# Altium PCB MyNixie.PcbDoc (part 2 of 2)
Units mil, origin at the board's own origin, x right, y up, seen from the top; angles counter-clockwise.
Board outline 7490.35 x 3159.64 mil, 2 copper layers (Top Layer, Bottom Layer); 206 components, 192 nets, 688 pads, 274 vias.
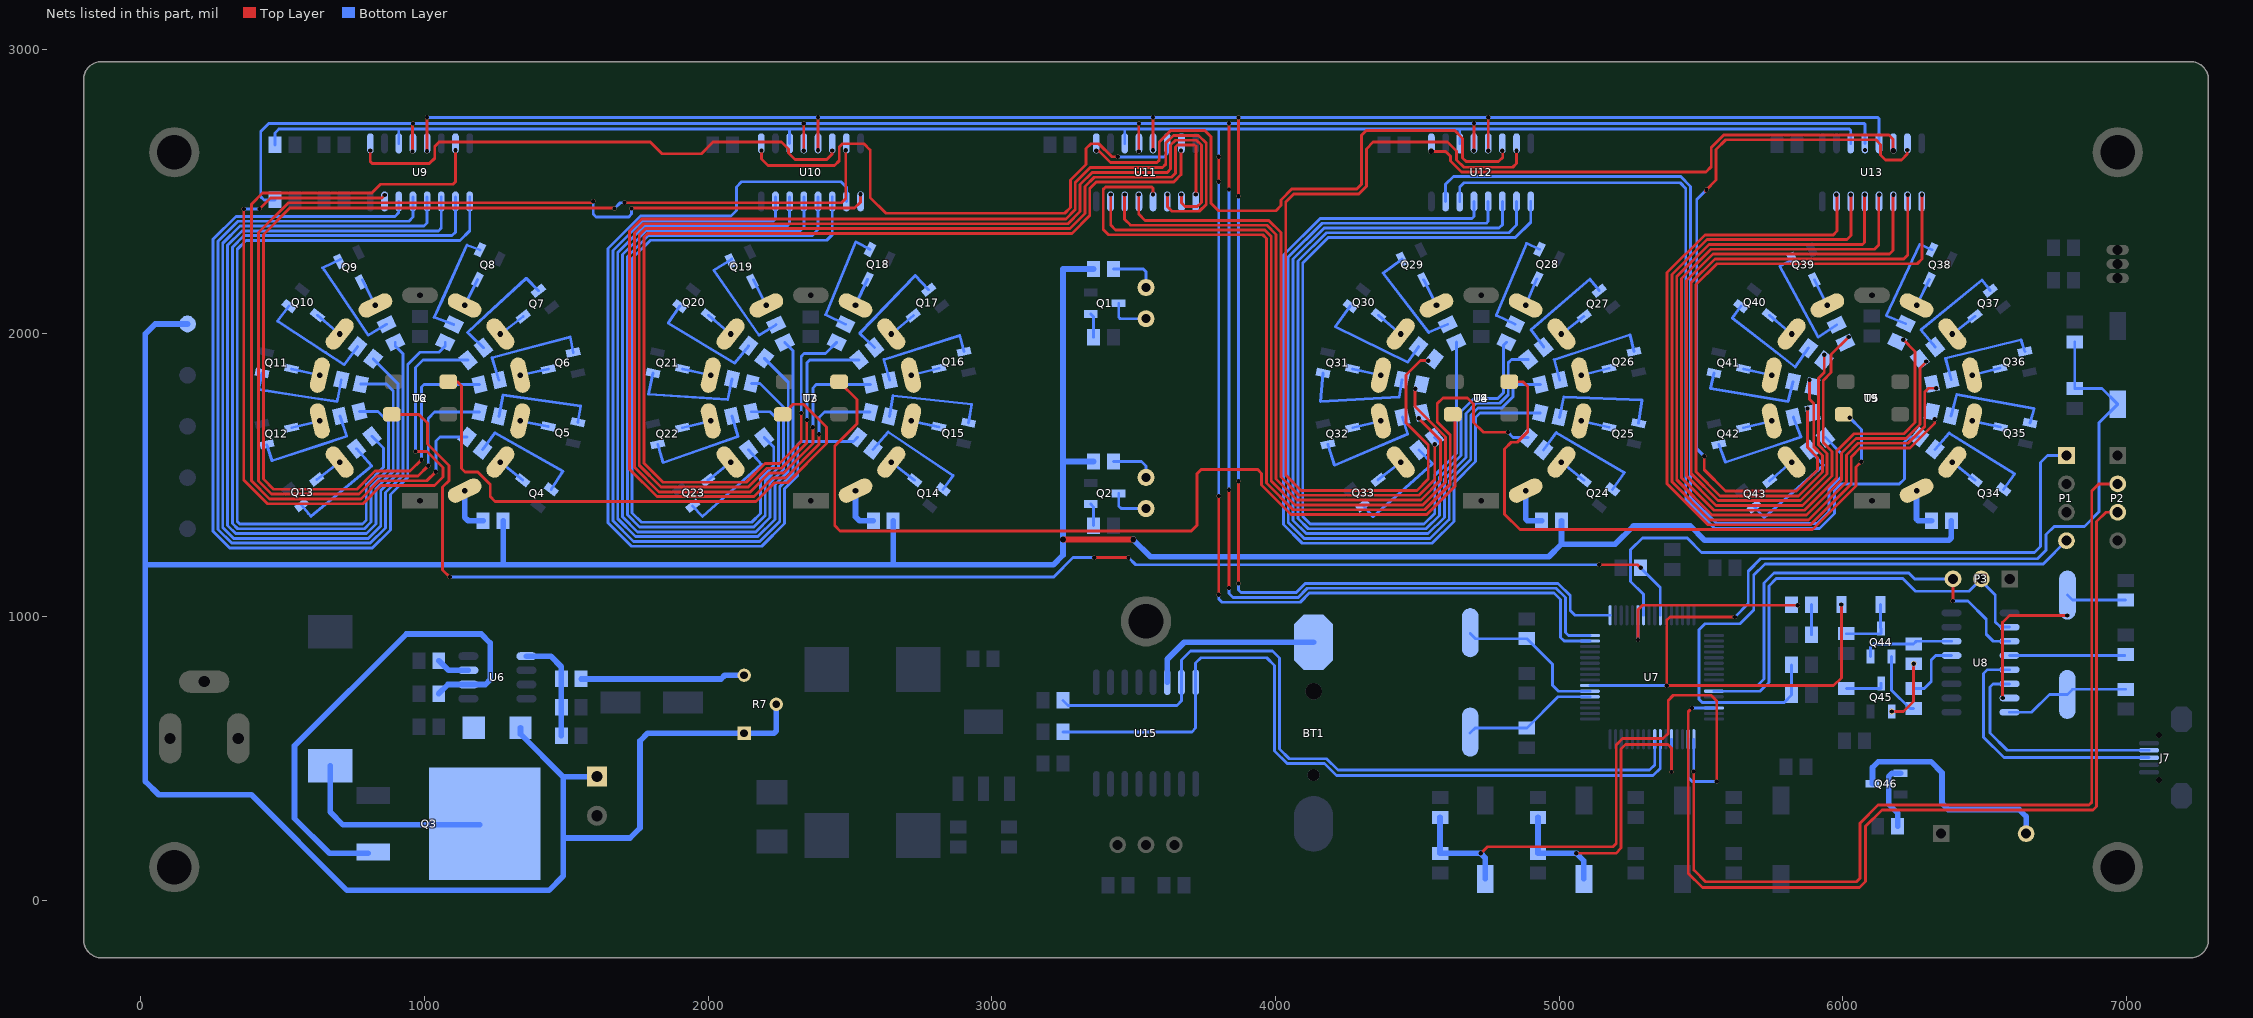
[diagram p2: the nets of this part, all layers, seen from the top]

## Via types
v1: diameter 15, hole 15, Top Layer to Bottom Layer, 190 vias
v2: diameter 20, hole 20, Top Layer to Bottom Layer, 63 vias
v3: diameter 20, hole 15, Top Layer to Bottom Layer, 19 vias
v4: diameter 25, hole 25, Top Layer to Bottom Layer, 2 vias

## Nets (pads, with @x,y where several pads share a name; then routed paths per layer and width w, separated by ;. In a path a pad name is that pad's centre, name@x,y a point inside that pad or via, vN(x,y) a via of type N, cw(c..) or ccw(c..) an arc to the next point about the centre after c; other vN are vias at no path point) (continued)
KEY3: C30.2 R71.2 S4.2 U7.53 | length 1266.5
  Top Layer w10: v1(5060.28,166.72) 5199.72,166.72 5218,185 5218,534 5234,550 5383,550 5395.67,537.33 v1(5395.67,453.33)
  Bottom Layer w10: v1(5395.67,453.33) U7.53@5395.67,568.9
  Bottom Layer w20: C30.2@4925.07,293.5 R71.2@4925.07,166.72 v1(5060.28,166.72) 5086.85,140.15 S4.2@5086.85,76.65
KEY4: C31.2 R72.2 S5.2 U7.50 | length 2234.9
  Top Layer w10: v1(4723.28,166.72) 4746.55,190 5190,190 5201,201 5201,549 5223,571 5366,571 5384,589 5384,706 5402,724 5535,724 5555,704 v1(5555,420)
  Bottom Layer w10: U7.50@5454.72,568.9 5454.73,434.27 5469,420 v1(5555,420)
  Bottom Layer w20: C31.2@4579.92,293.5 R72.2@4579.92,166.72 v1(4723.28,166.72) 4739.3,150.7 S5.2@4739.3,76.65
LAMP: P1.1 U7.23 | length 2139.2
  Bottom Layer w10: U7.23@5297.24,1005.91 5297.24,1079.76 5251.76,1125.24 5251.76,1236.76 5293,1278 5451,1278 5502,1227 6675,1227 6696,1248 6696,1544 6721,1569 P1.1@6788,1569
LATCHCLK: R21.2 U7.16 U9.12 U10.12 U11.12 U12.12 U13.12 | length 9487.4
  Top Layer w10: v1(958,2641) 958,2737.75 v1(959.25,2739) ; v1(2337,2643) v1@2337,2738 ; v1@3518,2640 v1@3518,2735.39 ; v1(3836,1102) v1(3836,1448) ; v1(3836,2507) v1(3836,2740) ; v1@4699.41,2646 v1@4699.41,2736.59
  Bottom Layer w10: R21.2@472.84,2469.94 434.06,2469.94 423,2481 423,2711 451,2739 v1(959.25,2739) v1(2337,2739) 6076,2739 6077.36,2737.64 U13.12@6077.36,2669.42 ; v1(3836,1102) 3836,1083 3850,1069 4079.92,1069 4111.92,1101 4989.08,1101 5022,1068.08 5022,945.73 5032.69,935.04 U7.16@5108.27,935.04 ; v1(3836,1448) v1(3836,2507)
  other v1: 3518,2641 4699,2643 6078,2645.7 3518.31,2739.69 4699.41,2740.59
LED_DEBUG: R13.2 U7.22 | length 761.3
  Top Layer w10: v1(5277.56,920) 5277.56,1025.56 5293,1041 v1(5841,1041)
  Bottom Layer w10: v1(5277.56,920) U7.22@5277.56,1005.91
METALKEY: C3.2 P1.4 R1.2 U7.45 | length 2190
  Bottom Layer w10: R1.2@5819.29,830.97 C3.2@5819.29,724.8 5793.31,698.82 U7.45@5545.28,698.82 5504.18,698.82 5493,710 5493,955 5514,976 5637,976 5685.5,1024.5 5685.5,1147.5 5725,1187 6706,1187 P1.4@6788,1269
NetBT1_1: BT1.1 U15.14 | length 621.3
  Bottom Layer w20: U15.14@3618.31,769.68 3618.31,850.59 3678.27,910.55 BT1.1@4133.86,910.55
NetC8_2: C8.2 R3.2 R4.1 U6.5 | length 382
  Bottom Layer w20: U6.5@1359.3,861.8 1445,861.8 1482.28,824.52 R4.1@1482.28,781.49 R3.2@1482.28,580.91
NetC9_1: C9.1 U6.3 | length 118.4
  Bottom Layer w20: C9.1@1050.24,845.86 1084.3,811.8 U6.3@1154.57,811.8
NetC13_2: C13.2 U7.5 Y1.1 | length 475.2
  Bottom Layer w10: Y1.1@4685.91,590.96 4703.95,609.01 C13.2@4885.83,609.01 4995.32,718.5 U7.5@5108.27,718.5
NetC14_2: C14.2 U7.6 Y1.2 | length 549.6
  Bottom Layer w10: Y1.2@4686.25,941.36 4704.3,923.31 C14.2@4885.83,923.31 4976,833.14 4976,759 4996.81,738.19 U7.6@5108.27,738.19
NetC24_1: C24.1 U8.4 | length 406.2
  Bottom Layer w10: U8.4@6587.4,864.11 C24.1@6993.64,864.11
NetC25_1: C25.1 U8.7 Y2.1 | length 717.4
  Top Layer w10: v1(6563,714) 6563,981 6587,1005 v1(6791,1005)
  Bottom Layer w10: Y2.1@6791.51,1077.17 6809.56,1059.12 C25.1@6996.46,1059.12
NetC26_1: C26.1 U8.8 Y2.2 | length 442.5
  Bottom Layer w10: U8.8@6587.4,664.11 6665.11,664.11 6727.77,726.77 Y2.2@6791.17,726.77 6809.21,744.82 C26.1@6996.46,744.82
NetD2_1: D2.1 L1.2 Q3.2 | length 709.2
  Bottom Layer w20: L1.2@667.72,475.78 667.72,312.28 713,267 Q3.2@1194.7,267
NetD3_K: D3.K R13.1 | length 106.2
  Bottom Layer w10: D3.K@5889.37,937.14 R13.1@5889.37,1043.31
NetD4_2: D4.2 Q44.3 R19.1 | length 224.9
  Bottom Layer w10: R19.1@6012.2,940.94 6132.94,940.94 6134.25,942.25 Q44.3@6134.25,959.32 6132.28,961.28 D4.2@6132.28,1043.7
NetJ8_2: J8.2 Q46.3 | length 811
  Bottom Layer w20: Q46.3@6104.33,411.81 6104.33,469.33 6125,490 6310,490 6349,451 6349,343 6371,321 6621,321 6645.67,296.33 J8.2@6645.67,236.22
NetQ1_1: Q1.1 R2.1 | length 86.7
  Bottom Layer w10: Q1.1@3348.55,2068.36 3358.52,2058.38 R2.1@3358.52,1985.75
NetQ1_3: Q1.3 UP1.2 | length 147.4
  Bottom Layer w10: Q1.3@3446.97,2105.76 3446.97,2057.03 3452.7,2051.3 UP1.2@3543.31,2051.3
NetQ2_1: Q2.1 R9.1 | length 80
  Bottom Layer w10: Q2.1@3348.55,1397.77 3358.52,1387.8 R9.1@3358.52,1321.9
NetQ2_3: Q2.3 UP2.2 | length 144.2
  Bottom Layer w10: Q2.3@3446.97,1435.17 3446.97,1391.03 3455.99,1382.01 UP2.2@3543.31,1382.01
NetQ3_1: Q3.1 R10.2 U6.2 | length 1762.8
  Bottom Layer w20: Q3.1@801,167 665,167 542,290 542,545.88 936.07,939.95 1199.85,939.95 1231.35,908.46 1231.35,778.54 1214.62,761.8 1082.53,761.8 R10.2@1050.24,729.52
NetQ4_3: Q4.3 T6.3 | length 101.7
  Bottom Layer w10: T6.3@1267.44,1545.82 Q4.3@1346.56,1481.86
NetQ5_3: Q5.3 T6.4 | length 100.9
  Bottom Layer w10: T6.4@1337.38,1691.06 Q5.3@1436.27,1671.19
NetQ6_3: Q6.3 T6.5 | length 101.6
  Bottom Layer w10: T6.5@1337.38,1852.25 Q6.3@1436.67,1873.69
NetQ7_3: Q7.3 T6.6 | length 101.5
  Bottom Layer w10: T6.6@1267.43,1997.48 Q7.3@1348.14,2059.08
NetQ8_3: Q8.3 T6.7 | length 101.9
  Bottom Layer w10: T6.7@1141.41,2097.99 Q8.3@1186.92,2189.13
NetQ9_3: Q9.3 T6.9 | length 101.7
  Bottom Layer w10: Q9.3@780.41,2188.34 T6.9@827.1,2097.99
NetQ10_3: Q10.3 T6.10 | length 102.4
  Bottom Layer w10: Q10.3@622.73,2063.41 T6.10@701.07,1997.48
NetQ11_3: Q11.3 T6.11 | length 102.1
  Bottom Layer w10: Q11.3@531.44,1874.48 T6.11@631.13,1852.25
NetQ12_3: Q12.3 T6.12 | length 102.2
  Bottom Layer w10: Q12.3@531.84,1666.86 T6.12@631.13,1691.06
NetQ13_3: Q13.3 T6.13 | length 101.3
  Bottom Layer w10: Q13.3@620.37,1484.62 T6.13@701.07,1545.82
NetQ14_3: Q14.3 T7.3 | length 104.2
  Bottom Layer w10: T7.3@2645.39,1545.82 Q14.3@2727.67,1481.86
NetQ15_3: Q15.3 T7.4 | length 100
  Bottom Layer w10: T7.4@2715.33,1691.06 Q15.3@2813.04,1669.61
NetQ16_3: Q16.3 T7.5 | length 101.5
  Bottom Layer w10: T7.5@2715.33,1852.25 Q16.3@2813.83,1876.84
NetQ17_3: Q17.3 T7.6 | length 101.6
  Bottom Layer w10: T7.6@2645.39,1997.48 Q17.3@2723.33,2062.62
NetQ18_3: Q18.3 T7.7 | length 101.6
  Bottom Layer w10: T7.7@2519.36,2097.99 Q18.3@2561.72,2190.31
NetQ19_3: Q19.3 T7.9 | length 101.5
  Bottom Layer w10: Q19.3@2159.54,2188.73 T7.9@2205.05,2097.99
NetQ20_3: Q20.3 T7.10 | length 102.4
  Bottom Layer w10: Q20.3@2000.68,2063.41 T7.10@2079.02,1997.48
NetQ21_3: Q21.3 T7.11 | length 102.1
  Bottom Layer w10: Q21.3@1909.4,1874.48 T7.11@2009.08,1852.25
NetQ22_3: Q22.3 T7.12 | length 102.2
  Bottom Layer w10: Q22.3@1909.79,1666.86 T7.12@2009.08,1691.06
NetQ23_3: Q23.3 T7.13 | length 102.4
  Bottom Layer w10: Q23.3@1998.71,1482.26 T7.13@2079.02,1545.82
NetQ24_3: Q24.3 T8.3 | length 102.4
  Bottom Layer w10: T8.3@5007.59,1545.82 Q24.3@5087.51,1481.86
NetQ25_3: Q25.3 T8.4 | length 100.7
  Bottom Layer w10: T8.4@5077.53,1691.06 Q25.3@5175.64,1668.43
NetQ26_3: Q26.3 T8.5 | length 101.1
  Bottom Layer w10: T8.5@5077.53,1852.25 Q26.3@5175.64,1876.84
NetQ27_3: Q27.3 T8.6 | length 101.1
  Bottom Layer w10: T8.6@5007.59,1997.48 Q27.3@5087.51,2059.47
NetQ28_3: Q28.3 T8.7 | length 101.5
  Bottom Layer w10: T8.7@4881.56,2097.99 Q28.3@4921.17,2191.49
NetQ29_3: Q29.3 T8.9 | length 101.5
  Bottom Layer w10: Q29.3@4521.75,2188.73 T8.9@4567.26,2097.99
NetQ30_3: Q30.3 T8.10 | length 102.4
  Bottom Layer w10: Q30.3@4362.89,2063.41 T8.10@4441.23,1997.48
NetQ31_3: Q31.3 T8.11 | length 102.1
  Bottom Layer w10: Q31.3@4271.6,1874.48 T8.11@4371.29,1852.25
NetQ32_3: Q32.3 T8.12 | length 102.2
  Bottom Layer w10: Q32.3@4271.99,1666.86 T8.12@4371.29,1691.06
NetQ33_3: Q33.3 T8.13 | length 101.3
  Bottom Layer w10: Q33.3@4361.7,1483.05 T8.13@4441.23,1545.82
NetQ34_3: Q34.3 T9.3 | length 102.7
  Bottom Layer w10: T9.3@6385.55,1545.82 Q34.3@6465.85,1481.86
NetQ35_3: Q35.3 T9.4 | length 102
  Bottom Layer w10: T9.4@6455.49,1691.06 Q35.3@6555.17,1669.22
NetQ36_3: Q36.3 T9.5 | length 101.2
  Bottom Layer w10: T9.5@6455.49,1852.25 Q36.3@6553.6,1877.24
NetQ37_3: Q37.3 T9.6 | length 101.4
  Bottom Layer w10: T9.6@6385.55,1997.48 Q37.3@6465.46,2059.87
NetQ38_3: Q38.3 T9.7 | length 102
  Bottom Layer w10: T9.7@6259.52,2097.99 Q38.3@6304.63,2189.52
NetQ39_3: Q39.3 T9.9 | length 101.7
  Bottom Layer w10: Q39.3@5899.31,2188.73 T9.9@5945.21,2097.99
NetQ40_3: Q40.3 T9.10 | length 102.4
  Bottom Layer w10: Q40.3@5740.84,2063.41 T9.10@5819.18,1997.48
NetQ41_3: Q41.3 T9.11 | length 102.1
  Bottom Layer w10: Q41.3@5649.55,1874.48 T9.11@5749.24,1852.25
NetQ42_3: Q42.3 T9.12 | length 102.2
  Bottom Layer w10: Q42.3@5649.95,1666.86 T9.12@5749.24,1691.06
NetQ43_3: Q43.3 T9.13 | length 102.3
  Bottom Layer w10: Q43.3@5741.63,1479.11 T9.13@5819.18,1545.82
NetQ44_1: Q44.1 R20.2 | length 223.6
  Bottom Layer w10: Q44.1@6171.65,860.89 6171.65,741.46 6235.88,677.23 R20.2@6249.22,677.23
NetQ44_2: Q44.2 R28.1 U8.14 | length 327.6
  Bottom Layer w10: Q44.2@6096.85,860.89 6096.85,894.49 6107.48,905.12 6249.22,905.12 6258.21,914.11 U8.14@6382.68,914.11
NetQ45_1: Q45.1 R28.2 | length 224.2
  Top Layer w10: v3(6172.4,666.84) 6213.84,666.84 6249.22,702.22 v3(6249.22,834.96)
NetQ45_3: Q45.3 R60.2 | length 140.3
  Bottom Layer w10: R60.2@6012.2,748.03 6134.03,748.03 6134.25,748.25 Q45.3@6134.25,766.4
NetQ46_1: Q46.1 R74.2 | length 234.8
  Bottom Layer w20: R74.2@6192.78,262.2 6192.78,309 6161,340.78 6161,437 6173.21,449.21 Q46.1@6202.76,449.21
NetR4_2: R4.2 R7.3 | length 579.8
  Bottom Layer w20: R4.2@1552.36,781.49 2045.27,781.5 2058.27,794.49 R7.3@2126.77,794.49
NetR5_1: R5.1 UP1.1 | length 174.2
  Bottom Layer w10: R5.1@3428.6,2226.59 3533.41,2226.59 3543.31,2216.69 UP1.1@3543.31,2161.3
NetR6_1: R6.1 T7.2 | length 160.5
  Bottom Layer w20: T7.2@2519.36,1445.32 2519.36,1353.44 2533.8,1339 R6.1@2581.96,1339
NetR8_1: R8.1 T6.2 | length 164.5
  Bottom Layer w20: T6.2@1141.41,1445.32 1141.41,1351.59 1154,1339 R8.1@1206.96,1339
NetR11_1: R11.1 UP2.1 | length 161.1
  Bottom Layer w10: R11.1@3428.6,1547.87 3527.13,1547.87 3543.31,1531.69 UP2.1@3543.31,1492.01
NetR15_1: R15.1 T8.2 | length 159.1
  Bottom Layer w20: T8.2@4881.56,1445.32 4881.56,1345.14 4887.7,1339 R15.1@4937.96,1339
NetR16_1: R16.1 T9.2 | length 155.2
  Bottom Layer w20: T9.2@6259.52,1445.32 6259.52,1345.08 6265.6,1339 R16.1@6311.96,1339
NetR20_1: R20.1 U8.13 | length 226.3
  Bottom Layer w10: R20.1@6249.22,747.31 6286.41,747.31 6311.08,771.98 6311.08,847.88 6327.31,864.11 U8.13@6382.68,864.11
NetR22_1: R22.1 U9.15 | length 2778
  Top Layer w10: v1(1040,1512) 1008,1480 840.08,1480 776.08,1416 453.92,1416 390,1479.92 390,2455 429,2494 814,2494 845,2525 1100,2525 1109,2534 v1(1109,2645)
  Bottom Layer w10: v1(1040,1512) 1040,1620 1054.05,1634.05 R22.1@1150.16,1634.05
NetR23_1: R23.1 U10.15 | length 4217.7
  Top Layer w10: v1(989,1554) 949,1514 826,1514 762,1450 468,1450 432,1486 432,2347.96 525.04,2441 v1@1670,2441 ; v1(1705,2460) 2470,2460 2485,2475 v1(2485,2645)
  Bottom Layer w10: v1(989,1554) 989,1810 998.37,1819.37 R23.1@1193.79,1819.37 ; v1(1670,2440) 1690,2460 v1(1705,2460)
NetR24_1: R24.1 U11.15 | length 4009
  Top Layer w10: v1(2328,1719) 2328,1618 2251,1541 2200,1541 2134,1475 1841,1475 1774,1542 1774,2339 1787,2352 3282.12,2352 3345,2414.88 3345,2509.88 3368.12,2533 3641,2533 3667,2559 v1(3667,2644)
  Bottom Layer w10: v1(2328,1719) 2328,1918 2338.06,1928.07 2412.94,1928.07 R24.1@2453.3,1968.43
NetR25_1: R25.1 U12.15 | length 3087.2
  Top Layer w10: v1(4538.6,1903.5) 4510.9,1903.5 4460.2,1852.8 4460.2,1684.3 4538,1606.5 4538,1486 4498,1446 4090.04,1446 4036,1500.04 4036,2463 4064,2491 4293,2491 4320,2518 4320,2650 4344,2674 4606,2674 4638,2642 4638,2611 4664,2585 4836,2585 4849.3,2598.3 v1@4849.3,2644.6
  other v1: 4849.3,2643
NetR26_1: R26.1 U13.15 | length 2629.4
  Top Layer w10: v1(5511.1,1566.4) 5511.1,1518.9 5586.1,1443.9 5836.3,1443.9 5910.4,1518 5910.4,1562.48 5874.7,1598.18 v1(5874.7,1734.7) ; v1@5514.7,2500.3 v1@5519.65,2505.25 ; v1(5518.8,2506.1) 5553,2540.3 5553,2647.96 5587.04,2682 6116,2682 6133,2665 6133,2628 6150,2611 6206,2611 6226.8,2631.8 v1(6226.8,2645.7)
  Bottom Layer w10: v1(5511.1,1566.4) 5484.6,1592.9 5484.6,2471.9 v1(5518.8,2506.1)
NetR29_1: R29.1 U9.1 | length 2726
  Bottom Layer w10: R29.1@815.19,1636.81 856,1596 856,1527.42 794.94,1466.37 794.94,1342.15 780.86,1328.07 348.93,1328.07 340,1337 340,2296 371,2327 1125,2327 1159.25,2361.25 U9.1@1159.25,2464.69 U9.1@1159.25,2480.69
NetR30_1: R30.1 U10.1 | length 4162.7
  Top Layer w10: v1(1013,1533) 977,1497 833.04,1497 769.04,1433 460.96,1433 415,1478.96 415,2355 520,2460 1590,2460 v1(1595,2465) ; v1(1730,2440) 1731,2441 1779.83,2441 1779.88,2441.04 2516.04,2441.04 2537,2462 v1(2537,2490)
  Bottom Layer w10: v1@1013,1540 1013,1700 1034.97,1721.97 R30.1@1194.19,1721.97 ; v1(1595,2465) 1595,2420 1605,2410 1720,2410 1730,2420 v1(1730,2440)
NetR31_1: R31.1 U11.1 | length 4342.1
  Top Layer w10: v1@2347.5,1694 2347.5,1613.46 2258.04,1524 2207.04,1524 2141.04,1458 1833.96,1458 1757,1534.96 1757,2346.04 1779.96,2369 3275.08,2369 3328,2421.92 3328,2516.92 3361.08,2550 3633,2550 3647,2564 3647,2656 3654.5,2663.5 3714.5,2663.5 3719,2659 v1@3719,2490
  Bottom Layer w10: v1(2348,1694) 2348,1896 2358.11,1906.11 R31.1@2531.66,1906.11
  other v1: 3719,2489
NetR32_1: R32.1 U12.1 | length 2956.3
  Bottom Layer w10: R32.1@4637.25,1968.82 4637.25,1575.79 4561,1499.54 4561,1365.17 4523.83,1328 4122.2,1328 4095.8,1354.4 4095.8,2247.3 4185.5,2337 4845,2337 4899.41,2391.41 U12.1@4899.41,2464.69
NetR33_1: R33.1 U13.1 | length 2575.9
  Top Layer w10: v1(5882.1,1835.5) 5882.1,1767.3 5896.9,1752.5 5896.9,1600.02 5927.4,1569.52 5927.4,1510.96 5843.34,1426.9 5567.1,1426.9 5482.3,1511.7 5482.3,2171.7 5555.5,2244.9 6261.9,2244.9 6278.3,2261.3 v1@6278.3,2485.7
  other v1: 6278.3,2488.6
NetR34_1: R34.1 U9.2 | length 2908
  Bottom Layer w10: R34.1@770.78,1724.33 836.67,1724.33 873,1688 873,1520.38 811.94,1459.32 811.94,1335.11 787.9,1311.07 341.89,1311.07 323,1329.96 323,2303.04 363.96,2344 1097,2344 1109.25,2356.25 U9.2@1109.25,2464.69 U9.2@1109.25,2480.69
NetR35_1: R35.1 U10.2 | length 3220.6
  Bottom Layer w10: U10.2@2487.2,2464.69 2487.2,2514.8 2468,2534 2118,2534 2100,2516 2100,2433 2080,2413 1761.79,2413 1647,2298.21 1647,1331.79 1729.79,1249 2189,1249 2269,1329 2269,1451.65 2316,1498.65 2316,1609 2326,1619 2511.88,1619 R35.1@2526.54,1633.66
NetR36_1: R36.1 U11.2 | length 4524.3
  Top Layer w10: v1(2369,1669) 2369,1610.92 2265.08,1507 2214.08,1507 2148.08,1441 1826.92,1441 1740,1527.92 1740,2353.08 1772.92,2386 3268.04,2386 3311,2428.96 3311,2523.96 3354.04,2567 3618,2567 3630,2579 3630,2663.04 3647.46,2680.5 3721.54,2680.5 3738.5,2663.54 3738.5,2461.5 3724,2447 3681,2447 3668,2460 v1(3668,2489)
  Bottom Layer w10: v1@2369,1668 v1(2369,1669) 2369,1807 2380.97,1818.97 R36.1@2571.74,1818.97
NetR37_1: R37.1 U12.2 | length 3104
  Bottom Layer w10: R37.1@4813.93,1968.43 4803,1957.5 4803,1790.08 4783.13,1770.21 4700.09,1770.21 4654.25,1724.37 4654.25,1568.74 4578,1492.49 4578,1358.12 4530.88,1311 4115.16,1311 4078.8,1347.36 4078.8,2254.34 4178.46,2354 4822,2354 4849.41,2381.41 U12.2@4849.41,2464.69
NetR38_1: R38.1 U13.2 | length 2683.8
  Top Layer w10: v1(5934.3,1924.3) 5934.3,1861.9 5913.9,1841.5 5913.9,1607.06 5944.4,1576.56 5944.4,1503.92 5850.38,1409.9 5560.06,1409.9 5465.3,1504.66 5465.3,2178.74 5548.46,2261.9 6214.56,2261.9 6228.7,2276.04 v1@6228.7,2483.3
  other v1: 6228.07,2488.6
NetR40_1: R40.1 U9.3 | length 3042.5
  Bottom Layer w10: R40.1@775.11,1820.55 865.45,1820.55 890,1796 890,1513.34 828.94,1452.28 828.94,1328.07 794.94,1294.07 334.85,1294.07 306,1322.92 306,2310.08 356.92,2361 1049,2361 1059.25,2371.25 U9.3@1059.25,2464.69 U9.3@1059.25,2480.69
NetR41_1: R41.1 U10.3 | length 2549.8
  Bottom Layer w10: R41.1@2197.47,1632.87 2231,1599.34 2231,1533.85 2184,1486.85 2184,1364.21 2153.79,1334 1765,1334 1732,1367 1732,2263 1797,2328 2418,2328 2437.2,2347.2 U10.3@2437.2,2464.69 U10.3@2437.2,2480.69
NetR42_1: R42.1 U11.3 | length 4600.9
  Top Layer w10: v1(2391,1644) 2391,1608.88 2272.12,1490 2227,1490 2161,1424 1819.88,1424 1723,1520.88 1723,2360.12 1765.88,2403 3261,2403 3294,2436 3294,2531 3347,2584 3601,2584 3613,2596 3613,2670.08 3640.42,2697.5 3728.58,2697.5 3755.5,2670.58 3755.5,2454.46 3731.04,2430 3635,2430 3619,2446 v1(3619,2489)
  Bottom Layer w10: v1(2391,1644) 2391,1703 2410.36,1722.36 R42.1@2570.96,1722.36
NetR43_1: R43.1 U12.3 | length 3129.1
  Bottom Layer w10: U12.3@4799.41,2464.69 4799.41,2382.71 4787.7,2371 4171.42,2371 4061.8,2261.38 4061.8,1340.32 4108.12,1294 4537.92,1294 4595,1351.08 4595,1485.45 4671.25,1561.7 4671.25,1717.33 4707.13,1753.21 4790.17,1753.21 4820,1783.04 4820,1896 4831.29,1907.29 R43.1@4890.72,1907.29
NetR44_1: R44.1 U13.3 | length 2794.5
  Top Layer w10: v1(6020.3,1986.5) 5958.4,1924.6 5958.4,1861.96 5930.9,1834.46 5930.9,1614.1 5961.4,1583.6 5961.4,1496.88 5857.42,1392.9 5553.02,1392.9 5448.3,1497.62 5448.3,2185.78 5541.42,2278.9 6163.9,2278.9 6176.8,2291.8 v1@6176.8,2486.9
  other v1: 6177.83,2488.6
NetR45_1: R45.1 U9.4 | length 3084.4
  Bottom Layer w10: R45.1@819.13,1909.65 907,1821.78 907,1506.3 845.94,1445.24 845.94,1321.03 801.98,1277.07 327.81,1277.07 289,1315.88 289,2317.12 349.88,2378 998,2378 1009.25,2389.25 U9.4@1009.25,2464.69 U9.4@1009.25,2480.69
NetR46_1: R46.1 U10.4 | length 2720.9
  Bottom Layer w10: R46.1@2152.66,1723.54 2217.45,1723.55 2248,1693 2248,1526.81 2201,1479.81 2201,1357.17 2160.83,1317 1757.96,1317 1715,1359.96 1715,2270.04 1789.96,2345 2367,2345 2387.2,2365.2 U10.4@2387.2,2464.69 U10.4@2387.2,2480.69
NetR47_1: R47.1 U11.4 | length 3247.1
  Top Layer w10: v1(3568,2489) 3568,2511.5 3563.5,2516 3400.8,2516 3392.6,2507.8 3392.6,2366 3411.6,2347 3954.88,2347 3968,2333.88 3968,1471.88 4061.88,1378 4526.17,1378 4616,1467.83 4616,1641.54 4570,1687.54 4570,1752 4590,1772 4677,1772 4698,1751 4698,1686 4733,1651 v1(4819,1651)
  Bottom Layer w10: v1(4819,1651) 4837.52,1632.48 R47.1@4889.93,1632.48
NetR48_1: R48.1 U12.4 | length 3088.6
  Bottom Layer w10: U12.4@4749.41,2464.69 4749.41,2393.61 4743.8,2388 4164.38,2388 4044.8,2268.42 4044.8,1333.28 4101.08,1277 4544.96,1277 4612,1344.04 4612,1478.41 4688.25,1554.66 4688.25,1710.29 4714.17,1736.21 4797.21,1736.21 4837,1776 4837,1809 4847.37,1819.37 R48.1@4933.56,1819.37
NetR49_1: R49.1 U13.4 | length 2986.1
  Top Layer w10: v1@6126.3,2486.9 6126.3,2311.3 6110.9,2295.9 5534.38,2295.9 5431.3,2192.82 5431.3,1490.58 5545.98,1375.9 5864.47,1375.9 5978.4,1489.83 5978.4,1585.4 6039,1646 6214.8,1646 6254.6,1685.8 6254.6,1935.4 v1(6212.6,1977.4)
  other v1: 6127.6,2488.6
NetR50_1: R50.1 U9.5 | length 3133.8
  Bottom Layer w10: R50.1@896.7,1968.43 896.7,1955.3 924,1928 924,1499.26 862.94,1438.2 862.94,1313.98 809.03,1260.07 320.77,1260.07 272,1308.83 272,2324.17 342.83,2395 945,2395 959.25,2409.25 U9.5@959.25,2464.69 U9.5@959.25,2480.69
NetR51_1: R51.1 U10.5 | length 2829.3
  Bottom Layer w10: R51.1@2152.66,1823.31 2182.24,1823.31 2265,1740.55 2265,1519.77 2218,1472.77 2218,1350.12 2167.88,1300 1750.92,1300 1698,1352.92 1698,2277.08 1782.92,2362 2325,2362 2337.2,2374.2 U10.5@2337.2,2464.69 U10.5@2337.2,2480.69
NetR52_1: R52.1 U11.5 | length 2193.6
  Top Layer w10: v1@3518,2486 3518,2420 3540,2398 3976,2398 4019,2355 4019,1493 4083,1429 4505.04,1429 4561,1484.96 v1(4561,1609)
  Bottom Layer w10: R52.1@4560.47,1632.08 R52.1@4576,1616.55
  other v1: 3518,2489
NetR53_1: R53.1 U12.5 | length 3022.8
  Bottom Layer w10: U12.5@4699.41,2464.69 4699.41,2411.71 4692.7,2405 4157.33,2405 4027.8,2275.47 4027.8,1326.23 4094.03,1260 4552,1260 4629,1337 4629,1471.37 4705.25,1547.62 4705.25,1703.25 4721.21,1719.21 R53.1@4932.77,1719.21
NetR54_1: R54.1 U13.5 | length 2927.2
  Top Layer w10: v1@6076.3,2490.8 6076.3,2320.3 6068.9,2312.9 5527.33,2312.9 5414.3,2199.87 5414.3,1483.53 5538.93,1358.9 5871.51,1358.9 5995.4,1482.79 5995.4,1578.36 6046.04,1629 6221.84,1629 6271.6,1678.76 6271.6,1878 v1(6294.1,1900.5)
  other v1: 6077.37,2488.6
NetR55_1: R55.1 U9.6 | length 3217.7
  Bottom Layer w10: U9.6@909.25,2464.69 909.25,2425.25 896,2412 335.79,2412 255,2331.21 255,1301.79 313.73,1243.07 816.07,1243.07 879.94,1306.94 879.94,1431.16 941,1492.22 941,1890 984,1933 1051,1933 1072.99,1954.99 R55.1@1072.99,1967.64
NetR56_1: R56.1 U10.6 | length 2909
  Bottom Layer w10: R56.1@2197.47,1912.01 2282,1827.49 2282,1512.73 2235,1465.73 2235,1343.08 2174.92,1283 1743.88,1283 1681,1345.88 1681,2284.12 1775.88,2379 2279,2379 2287.2,2387.2 U10.6@2287.2,2464.69 U10.6@2287.2,2480.69
NetR57_1: R57.1 U11.6 | length 2390
  Top Layer w10: v1@3468,2484 3468,2402 3489,2381 3968.96,2381 4002,2347.96 4002,1485.96 4075.96,1412 4512.08,1412 4582,1481.92 4582,1623 v1(4505,1700)
  other v1: 3468,2489
NetR58_1: R58.1 U12.6 | length 3081.5
  Bottom Layer w10: U12.6@4649.41,2464.69 4649.41,2515.71 4664.4,2530.7 5426.36,2530.7 5446.2,2510.86 5446.2,1414.26 5548.36,1312.1 5917.1,1312.1 5970,1365 5970,1446 5992.23,1468.23 6198.77,1468.23 6217,1486.46 6217,1616.44 6235,1634.44 R58.1@6269.46,1634.44
NetR59_1: R59.1 U13.6 | length 2869.2
  Top Layer w10: v1@6028.1,2488.7 6028.1,2344.1 6013.9,2329.9 5520.29,2329.9 5397.3,2206.91 5397.3,1476.49 5531.89,1341.9 5878.55,1341.9 6012.4,1475.75 6012.4,1571.32 6053.08,1612 6228.88,1612 6288.6,1671.72 6288.6,1792.8 6302,1806.2 v1(6328.9,1806.2)
  other v1: 6027.13,2488.6
NetR61_1: R61.1 U9.7 | length 2897.5
  Top Layer w10: v1(363,2438) 363,1482.88 446.88,1399 783.12,1399 847.12,1463 1035,1463 1065,1493 1065,1527 1009,1583 v1(968,1583) ; v1(418,2438) 457,2477 850,2477 v1(860,2487) v1@857,2487
  Bottom Layer w10: v1(363,2438) v1(418,2438) ; v1(968,1583) 968,1879 994.32,1905.32 R61.1@1153.31,1905.32
NetR62_1: R62.1 U10.7 | length 2959.3
  Bottom Layer w10: U10.7@2237.2,2480.69 U10.7@2237.2,2464.69 2237.2,2403.2 2230,2396 1768.83,2396 1664,2291.17 1664,1338.83 1736.83,1266 2181.96,1266 2252,1336.04 2252,1458.69 2299,1505.69 2299,1938.18 R62.1@2269.93,1967.25
NetR63_1: R63.1 U11.7 | length 2607.9
  Top Layer w10: v1(3419,2489) 3419,2381 3436,2364 3961.92,2364 3985,2340.92 3985,1478.92 4068.92,1395 4519.12,1395 4599,1474.88 4599,1634.5 4492,1741.5 v1(4492,1804)
NetR64_1: R64.1 U12.7 | length 2893.9
  Bottom Layer w10: U12.7@4599.41,2464.69 4599.41,2525.21 4627.2,2553 5428.1,2553 5463.2,2517.9 5463.2,1421.3 5555.4,1329.1 5908.1,1329.1 5950.4,1371.4 5950.4,1450.44 5995.53,1495.58 5995.53,1575.36 R64.1@5938.02,1632.87
NetR65_1: R65.1 U13.7 | length 2756.2
  Top Layer w10: v1@5978.9,2490.8 5978.9,2359.9 5965.9,2346.9 5513.25,2346.9 5380.3,2213.95 5380.3,1469.45 5524.85,1324.9 5885.59,1324.9 6029.4,1468.71 6029.4,1564.28 6060.12,1595 6235.92,1595 6323.4,1682.48 v1(6323.4,1697.2)
  other v1: 5976.9,2488.6
NetU2_2: U2.2 U3.4 | length 2049.1
  Top Layer w10: U2.2@1083.75,1829.15 1115.85,1829.15 1131,1814 1131,1523 1142.5,1511.5 1187.5,1511.5 1232,1467 1232,1424 1249,1407 2168.04,1407 2234.04,1473 2279.17,1473 2417,1610.83 2417,1669 2336,1750 2298.55,1750 U3.4@2262.71,1714.15
NetU3_2: U3.2 U4.4 | length 3344.7
  Top Layer w10: U3.2@2461.71,1829.15 2524,1766.86 2524,1681 2446,1603 2446,1322 2465,1303 3703,1303 3723,1323 3723,1505 3738,1520 3937,1520 3951,1506 3951,1464.83 4054.83,1361 4533.21,1361 4633,1460.79 4633,1706.06 U4.4@4624.91,1714.15
NetU4_2: U4.2 U5.4 | length 2159
  Top Layer w10: U4.2@4823.91,1829.15 4871.85,1829.15 4889,1812 4889,1653 4852,1616 4831,1616 4807,1592 4807,1362 4861.1,1307.9 5892.63,1307.9 6046.4,1461.67 6046.4,1528.4 v1(6065,1547)
  Bottom Layer w10: v1(6024,1702) 6065,1661 v1(6065,1547)
NetU9_9: U9.9 U10.14 | length 1814.1
  Top Layer w10: v1(809,2644) 809,2605 816,2598 1017,2598 1036,2617 1036,2658 1052,2674 1796,2674 1837,2633 1976,2633 2017,2674 2258,2674 2283,2649 2283,2635 2306,2612 2418,2612 2437,2631 v1(2437,2644)
NetU10_9: U10.9 U11.14 | length 1981.1
  Top Layer w10: v1(2188,2644) 2188,2614 2211,2591 2445,2591 2462,2608 2462,2657 2473,2668 2549,2668 2571,2646 2571,2479 2627,2423 3256.96,2423 3277,2443.04 3277,2540 3332,2595 3332,2651 3349,2668 3377,2668 3423,2622 v1(3444,2622)
  Bottom Layer w10: v1(3444,2622) 3444.5,2621.5 3606.5,2621.5 3618.31,2633.31 U11.14@3618.31,2669.42
NetU11_9: U11.9 U12.14 | length 2133.7
  Top Layer w10: v1(3368,2643) 3377.96,2643 3418.46,2602.5 3582.6,2602.5 3590,2609.9 3590,2674 3630.5,2714.5 3750.5,2714.5 3772.5,2692.5 3772.5,2458.5 3799,2432 4001,2432 4019,2450 4019,2470.04 4056.96,2508 4285.96,2508 4303,2525.04 4303,2698 4319.5,2714.5 4631.5,2714.5 4659,2687 4659,2618 4672,2605 4786,2605 4801,2620 4801,2641 v1(4799,2643)
NetU12_9: U12.9 U13.14 | length 1809.3
  Top Layer w10: v2(4549,2641) 4600,2641 4617,2624 4617,2607 4656,2568 5517,2568 5536,2587 5536,2655 5580,2699 6162,2699 6177,2684 v2(6177,2643.2)
OE#: U7.17 U9.13 U10.13 U11.13 U12.13 U13.13 | length 8749.8
  Top Layer w10: v1(1009,2642) v1@1009,2764 ; v1(2387,2645) v1(2387,2761) ; v1(3568,2645) v1(3568,2761) ; v1(3869,1478) v1(3869,1118) v1@3870,1117 ; v1(3869,2760.64) v1(3869,2483) v1@3870,2482 ; v1@4750,2645 v1(4750,2761)
  Bottom Layer w10: v1@1009,2760.64 v1(3869,2760.64) 6123.36,2760.64 6127.36,2756.64 U13.13@6127.36,2669.42 ; v1(3869,1118) 3869,1095 3878,1086 4072.88,1086 4104.88,1118 4996.12,1118 5039,1075.12 5039,1023 5056.09,1005.91 U7.17@5179.13,1005.91 ; v1(3869,1478) v1(3869,2483)
  other v1: 4750,2643 1009,2761
RGB: R12.1 U2.4 U7.26 | length 5168.7
  Top Layer w10: U2.4@884.75,1714.15 979.85,1714.15 1010,1684 1010,1610 1086,1534 1086,1480 1064,1458 1064,1166 v1(1089,1141) ; v1(3361,1209) v1(3482,1209) ; v1(5141,1184) 5276.24,1184 v1(5287.01,1173.23)
  Bottom Layer w10: v1(1089,1141) 3218,1141 3286,1209 v1(3361,1209) ; v1(3482,1209) 3507,1184 v1(5141,1184) ; v1(5287.01,1173.23) 5356.3,1103.93 U7.26@5356.3,1005.91
RST: C18.2 D4.1 R18.2 S1.1 U7.7 | length 3913.5
  Top Layer w10: v1(5619,1000) 5390,1000 5378.87,988.87 v1(5378.87,757.87) 5967,757.87 5994.49,785.36 v1(5994.49,1043.7)
  Bottom Layer w10: U7.7@5108.27,757.87 v1(5378.87,757.87) ; v1(5619,1000) 5666,1047 5666,1161 5710,1205 6686,1205 6716,1235 6716,1290 6745,1319 6851,1319 6903,1371 6903,1684.26 S1.1@6968.5,1749.76 6913.05,1805.21 R18.2@6816.93,1805.21 C18.2@6816.93,1969.91
RX1: P3.2 U7.43 U8.2 | length 1564.8
  Bottom Layer w10: U7.43@5545.28,738.19 5708.19,738.19 5739,769 5739,1109 5765,1135 6211,1135 6255.5,1090.5 6444.5,1090.5 6484,1130 6537,1077 6537,982 6554.89,964.11 U8.2@6587.4,964.11
SCL: R67.1 U7.55 U15.16 | length 2809.3
  Bottom Layer w10: R67.1@3250.79,594.68 3704.92,594.68 3718.31,608.07 U15.16@3718.31,769.68 3718.31,837.31 3737,856 3969,856 3996,829 3996,528 4041,483 4172.96,483 4214.96,441 5331,441 5356.3,466.3 U7.55@5356.3,568.9
SDA: R68.1 U7.56 U15.15 | length 2717.1
  Bottom Layer w10: R68.1@3250.79,705.91 3268.69,688 3652,688 3668.31,704.31 U15.15@3668.31,769.68 3668.31,848.31 3700,880 3989,880 4014,855 4014,534.04 4048.04,500 4180,500 4220,460 5318,460 5336.62,478.62 U7.56@5336.61,568.9
SHIFTCLK: R27.2 U7.15 U9.11 U10.11 U11.11 U12.11 U13.11 | length 8978.4
  Top Layer w10: v1(3800,1078) v1(3800,1426) ; v1(3800,2622) v1(3800,2534) v1@3801,2533
  Bottom Layer w10: R27.2@472.83,2664.17 472.83,2705.83 486.5,2719.5 2288,2719.5 ; U9.11@909.25,2669.42 909.25,2719 ; U10.11@2287.2,2669.42 2287.2,2718.7 2288,2719.5 ; U11.11@3468.31,2669.42 3468.31,2716.89 ; v1(3800,1078) 3800,1063 3811,1052 4086.96,1052 4118.96,1084 4982.04,1084 5005,1061.04 5005,928.04 5017.69,915.35 U7.15@5108.27,915.35 ; v1(3800,1426) v1(3800,2534) ; v1(3800,2622) 3800,2719.5 ; U12.11@4649.41,2669.42 4649.41,2719.5 ; U13.11@6027.36,2669.42 6027.36,2714.64 6022.5,2719.5 4649.41,2719.5 ; 2288,2719.5 3800,2719.5 ; 3800,2719.5 4649.41,2719.5
SWCLK: P2.2 U7.49 | length 3309.5
  Top Layer w10: v1(5474.41,455) 5474.41,107.59 5515.41,66.59 6047.59,66.59 6060,79 6060,273 6124,337 6867,337 6877,347 6877,1444 6902,1469 P2.2@6968.5,1469
  Bottom Layer w10: v1(5474.41,455) U7.49@5474.41,568.9
SWDIO: P2.3 U7.46 | length 3450.4
  Top Layer w10: v1(5468.13,679.13) 5454.91,665.91 5454.91,96.09 5505,46 6059,46 6080,67 6080,262 6138,320 6882,320 6894,332 6894,1336 6927,1369 P2.3@6968.5,1369
  Bottom Layer w10: v1(5468.13,679.13) U7.46@5545.28,679.13
TUBE1-0: Q4.1 R22.2 | length 424.1
  Bottom Layer w10: R22.2@1204.95,1590.36 1248,1649 1488,1513 Q4.1@1446.83,1449.74
TUBE1-1: Q13.1 R29.2 | length 677.8
  Bottom Layer w10: Q13.1@566.73,1394.01 591,1364 599.5,1354.55 600,1354 600.49,1354.41 805,1524 804.77,1524.36 ; 600,1355 804.77,1524.36 ; R29.2@760.4,1593.11 814,1532 804.77,1524.36
TUBE1-2: Q12.1 R34.2 | length 414.7
  Bottom Layer w10: Q12.1@444.01,1606.96 446.42,1599.47 462.19,1550.34 626.89,1604.44 ; 628.67,1605.33 626.89,1604.44 ; R34.2@702.45,1708.74 726,1637 626.89,1604.44
TUBE1-3: Q11.1 R40.2 | length 419.1
  Bottom Layer w10: Q11.1@427.16,1859.92 414.67,1801.22 590.16,1774.5 692,1759 693.92,1769 R40.2@706.78,1836.14
TUBE1-4: Q10.1 R45.2 | length 427.2
  Bottom Layer w10: Q10.1@522.46,2095.54 482,2043 488.15,2038.97 651.67,1931.81 717,1889 R45.2@764.34,1953.34
TUBE1-5: Q9.1 R50.2 | length 432
  Bottom Layer w10: Q9.1@704.01,2260.79 641,2231 646.05,2223.53 769.61,2040.88 802,1993 R50.2@866.29,2031.57
TUBE1-6: Q8.1 R55.2 | length 402.8
  Bottom Layer w10: R55.2@1103.39,2030.78 1034,2056 1063.25,2120.47 1149.53,2310.68 Q8.1@1195.92,2294.03
TUBE1-7: Q7.1 R61.2 | length 420.8
  Bottom Layer w10: R61.2@1208.1,1949.01 1159.51,1995.77 1152,2003 1217.42,2063.37 1358.77,2193.82 Q7.1@1401.77,2149.69
TUBE1-8: Q6.1 R23.2 | length 424
  Bottom Layer w10: R23.2@1262.11,1834.96 1238,1914 1335.83,1939.88 1507.94,1985.4 1514,1987 Q6.1@1524.3,1932.06
TUBE1-9: Q5.1 R30.2 | length 412.8
  Bottom Layer w10: R30.2@1262.51,1706.38 1277,1782 1551,1744 Q5.1@1540.55,1685.75
TUBE2-0: Q14.1 R35.2 | length 418.2
  Bottom Layer w10: R35.2@2581.33,1589.96 2635,1652 2864,1498 Q14.1@2827.94,1449.74
TUBE2-1: Q23.1 R41.2 | length 397.4
  Bottom Layer w10: Q23.1@1945.08,1391.65 1980,1354 2188,1538 R41.2@2142.68,1589.18
TUBE2-2: Q22.1 R46.2 | length 421.6
  Bottom Layer w10: Q22.1@1822.15,1608.49 1841,1544 2105,1636 R46.2@2084.34,1707.95
TUBE2-3: Q21.1 R51.2 | length 430.6
  Bottom Layer w10: Q21.1@1805.12,1859.92 1790,1785 2069,1766 R51.2@2084.34,1838.9
TUBE2-4: Q20.1 R56.2 | length 424.4
  Bottom Layer w10: Q20.1@1900.41,2095.54 1859,2036 2094,1895 R56.2@2142.68,1955.7
TUBE2-5: Q19.1 R62.2 | length 424.2
  Bottom Layer w10: Q19.1@2083.14,2261.18 2020,2222 2179,1993 R62.2@2239.52,2030.39
TUBE2-6: Q18.1 R24.2 | length 412.7
  Bottom Layer w10: R24.2@2483.71,2031.57 2414,2065 2520,2322 Q18.1@2570.73,2295.21
TUBE2-7: Q17.1 R31.2 | length 423.2
  Bottom Layer w10: R31.2@2586.45,1949.8 2534,2000 2730,2203 Q17.1@2776.97,2153.23
TUBE2-8: Q16.1 R36.2 | length 415.2
  Bottom Layer w10: R36.2@2640.07,1834.57 2619,1907 2887,1992 Q16.1@2901.47,1935.21
TUBE2-9: Q15.1 R42.2 | length 419.8
  Bottom Layer w10: R42.2@2639.28,1706.77 2652,1780 2929,1750 Q15.1@2917.32,1684.17
TUBE3-0: Q24.1 R47.2 | length 427.3
  Bottom Layer w10: R47.2@4944.72,1588.78 4990,1650 5230,1509 Q24.1@5187.78,1449.74
TUBE3-1: Q33.1 R52.2 | length 401.5
  Bottom Layer w10: Q33.1@4308.07,1392.44 4344,1353 4553,1540 R52.2@4505.68,1588.39
TUBE3-2: Q32.1 R57.2 | length 420.1
  Bottom Layer w10: Q32.1@4184.36,1608.49 4208,1535 4466,1645 R57.2@4446.94,1704.41
TUBE3-3: Q31.1 R63.2 | length 440.6
  Bottom Layer w10: Q31.1@4167.32,1859.92 4159,1759 4436,1775 R63.2@4445.37,1836.14
TUBE3-4: Q30.1 R25.2 | length 439.9
  Bottom Layer w10: Q30.1@4262.61,2095.54 4211,2023 4466,1898 R25.2@4504.1,1952.95
TUBE3-5: Q29.1 R32.2 | length 419.3
  Bottom Layer w10: Q29.1@4445.34,2261.18 4379,2212 4540,2003 R32.2@4606.84,2031.96
TUBE3-6: Q28.1 R37.2 | length 398.7
  Bottom Layer w10: R37.2@4844.34,2031.57 4778,2063 4885,2317 Q28.1@4930.17,2296.39
TUBE3-7: Q27.1 R43.2 | length 401.8
  Bottom Layer w10: R43.2@4945.51,1950.98 4901,2012 5108,2191 Q27.1@5141.14,2150.08
TUBE3-8: Q26.1 R48.2 | length 417.3
  Bottom Layer w10: R48.2@5001.88,1834.96 4982,1907 5249,1995 Q26.1@5263.28,1935.21
TUBE3-9: Q25.1 R53.2 | length 432
  Bottom Layer w10: R53.2@5001.09,1703.62 5016,1775 5292,1765 Q25.1@5279.92,1682.99
TUBE4-0: Q34.1 R58.2 | length 414.9
  Bottom Layer w10: R58.2@6324.25,1590.75 6375,1648 6605,1505 Q34.1@6566.13,1449.74
TUBE4-1: Q43.1 R64.2 | length 402.7
  Bottom Layer w10: Q43.1@5687.99,1388.5 5722,1350 5931,1535 R64.2@5883.23,1589.18
TUBE4-2: Q42.1 R26.2 | length 423
  Bottom Layer w10: Q42.1@5562.31,1608.49 5585.94,1545.48 5728.36,1592.86 5852,1634 R26.2@5825.29,1704.41
TUBE4-3: Q41.1 R33.2 | length 405.5
  Bottom Layer w10: Q41.1@5545.27,1859.92 5533,1805 5806,1759 R33.2@5824.11,1829.06
TUBE4-4: Q40.1 R38.2 | length 414
  Bottom Layer w10: Q40.1@5640.57,2095.54 5610,2053.42 5763.19,1934.44 5832,1881 R38.2@5878.12,1947.44
TUBE4-5: Q39.1 R44.2 | length 414.7
  Bottom Layer w10: Q39.1@5822.9,2261.18 5777.85,2236.05 5840.95,2119.31 5913,1986 R44.2@5978.5,2029.99
TUBE4-6: Q38.1 R49.2 | length 399.4
  Bottom Layer w10: R49.2@6221.5,2033.54 6153,2062 6271,2314 Q38.1@6313.64,2294.43
TUBE4-7: Q37.1 R54.2 | length 403.9
  Bottom Layer w10: R54.2@6325.43,1951.77 6275,2012 6490,2188 Q37.1@6519.09,2150.48
TUBE4-8: Q36.1 R59.2 | length 394.5
  Bottom Layer w10: R59.2@6381.8,1837.32 6362,1912 6628,1977 Q36.1@6641.23,1935.6
TUBE4-9: Q35.1 R65.2 | length 409.1
  Bottom Layer w10: R65.2@6381.41,1707.95 6401,1784 6674,1735 Q35.1@6659.45,1683.78
TX1: P3.3 U7.42 U8.3 | length 1602.1
  Top Layer w10: v1(6387,1056) 6388,1057 P3.3@6388,1134
  Bottom Layer w10: U7.42@5545.28,757.87 5698.87,757.87 5722,781 5722,1120 5757,1155 6232,1155 6253,1134 P3.3@6388,1134 P3.3@6388,1153 ; v1(6387,1056) 6441,1056 6505,992 6505,939 6529.89,914.11 U8.3@6587.4,914.11
UD+: J7.3 U8.5 | length 934.2
  Bottom Layer w10: U8.5@6587.4,814.11 6509.11,814.11 6496,801 6496,576 6567.67,504.33 J7.3@7078.7,504.33
UD-: J7.2 U8.6 | length 822
  Bottom Layer w10: U8.6@6587.4,764.11 6529.11,764.11 6518,753 6518,591 6579.08,529.92 J7.2@7078.7,529.92
VH: C10.1 D2.2 J2.1 R5.2 R6.2 R7.1 R7.2 R8.2 R11.2 R15.2 R16.2 | length 13407.1
  Top Layer w20: v2(3251,1273) v2(3498,1273)
  Bottom Layer w20: J2.1@164.67,2032.78 50.78,2032.78 16,1998 16,1184 ; R8.2@1277.04,1339 1277.04,1184 ; D2.2@1338.43,609.64 1338.43,586.76 1488.98,436.22 ; 1492,220.47 1724.41,220.47 1759.84,255.91 1759.84,562.99 1786.61,589.76 R7.1@2126.77,589.76 2231.76,589.76 2239.88,597.88 R7.2@2239.88,692.13 ; C10.1@1585.83,436.22 1488.98,436.22 ; R6.2@2652.04,1339 2652.04,1184 ; R11.2@3358.52,1547.87 3251,1547.87 ; R5.2@3358.52,2226.59 3251,2226.59 3251,1547.87 ; v2(3498,1273) 3559,1212 4963,1212 5008.04,1257.04 ; R15.2@5008.04,1339 5008.04,1257.04 ; R16.2@6382.04,1339 6382.04,1279.04 6373,1270 5513.1,1270 5462.1,1321 5262,1321 5197,1256 5008.04,1256 5008.04,1257.04 ; 16,1184 1277.04,1184 ; 16,1184 16,420 63,373 390,373 727,36 1438.41,36 1488.98,86.57 1488.98,436.22 ; 1277.04,1184 2652.04,1184 ; 2652.04,1184 3217,1184 3251,1218 v2(3251,1273) 3251,1547.87
pads on no net: BT1.0 J7. J7.6 J7.7 T6.1 T6.8 T7.1 T7.8 T8.1 T8.8 T9.1 T9.8 U5.2 U7.2 U7.3 U7.4 U7.8 U7.9 U7.10 U7.11 U7.20 U7.21 U7.24 U7.25 U7.27 U7.33 U7.34 U7.35 U7.36 U7.37 U7.38 U7.39 U7.40 U7.41 U7.44 U7.57 U7.62 U8.9 U8.10 U8.11 U8.12 U8.15 U13.9 U15.1 U15.4

## Polygon pours and split planes (outlines as drawn)
DGND on Bottom Layer "Bottom Layer-No Net" (solid, remove dead copper, pour order 8): -203,2433 -203,2945 7283,2945 7283,-208 2971,-208 2971,1208 6706.14,1208 6706.14,2433
GND on Bottom Layer "Bottom Layer-No Net" (solid, remove dead copper, pour order 6): -197,2436 6712.85,2436 6706,1185 2970.85,1185 2970.85,-201.8 -197,-201.8
DGND on Top Layer "Bottom Layer-No Net" (solid, remove dead copper, pour order 7): -201,2436 -201,2948 7285,2948 7285,-205 2952,-205 2952,1250.73 6708.14,1250.73 6708.14,2436
GND on Top Layer "Bottom Layer-No Net" (solid, remove dead copper, pour order 5): -201,2436 6708.85,2436 6708.85,1251.06 2966.85,1251.06 2966.85,-201.8 -201,-201.8

## Keep-outs
Keep-Out Layer:
  lines w10: -196.85,-137.8 ccw(c-137.8,-137.8) -137.8,-196.85 ; -196.85,-137.77 -196.85,2893.7 cw(c-137.8,2893.7) -137.8,2952.76 ; -138.61,-196.85 7222.75,-196.85 ; -138.55,2952.76 7225.95,2952.76 ; 7224.41,-196.85 ccw(c7224.41,-137.8) 7283.46,-137.8 ; 7224.41,2952.76 cw(c7224.41,2893.7) 7283.46,2893.7 ; 7283.46,-138.86 7283.46,2895.63

## Other copper
Bottom Layer:
  rectangle net NetD2_1: 1134,384 1211,585
  rectangle net DGND: 7048,446 7109,486

## Silkscreen, mask and mechanical layers (free items; w line width, h text height)
Top Overlay:
  circle w10: c6102,1772 r1.41
  circle w10: c4724,1772 r1
  circle w10: c3543.31,1437 r1
  circle w10: c3543,2106 r1
  circle w10: c2362,1772 r3.61
  circle w10: c984.25,1771.65 r3.94
Bottom Overlay:
  circle w10: c5058.27,3553.94 r188.98
Top Solder:
  drawing of 38705 lines, arcs and shapes, not listed
Bottom Solder:
  text "12V DC" at -129.92,818.9 h118.11 r270
  text "UART TO USB" at 7165.35,740.16 h78.74 r270
  text "Battery CR1220" at 4376,60 h80
  text "Designed By YYH" at 551.18,-113.33 h78.74
  text "The NiXie Clock has high voltage which is about  170V,Please do not touch it when the power is on!" at 7090.55,-114.17 h78.74

## Text inside footprints (layer, text, board x,y; h text height)
U1: Bottom Overlay "OUT+" at 2761.5,559.54 h60 r90; Bottom Overlay "IN-" at 2470.5,704.54 h60 r90